# Altium PCB 10515.0462_全联供主板(2拼版)_V1.0.PcbDoc (part 10 of 18)
Units mm, origin at the board's own origin, x right, y up, seen from the top; angles counter-clockwise.
Board outline 282 x 198 mm, 2 copper layers (Top Layer, Bottom Layer); 716 components, 0 nets, 2364 pads, 1800 vias.
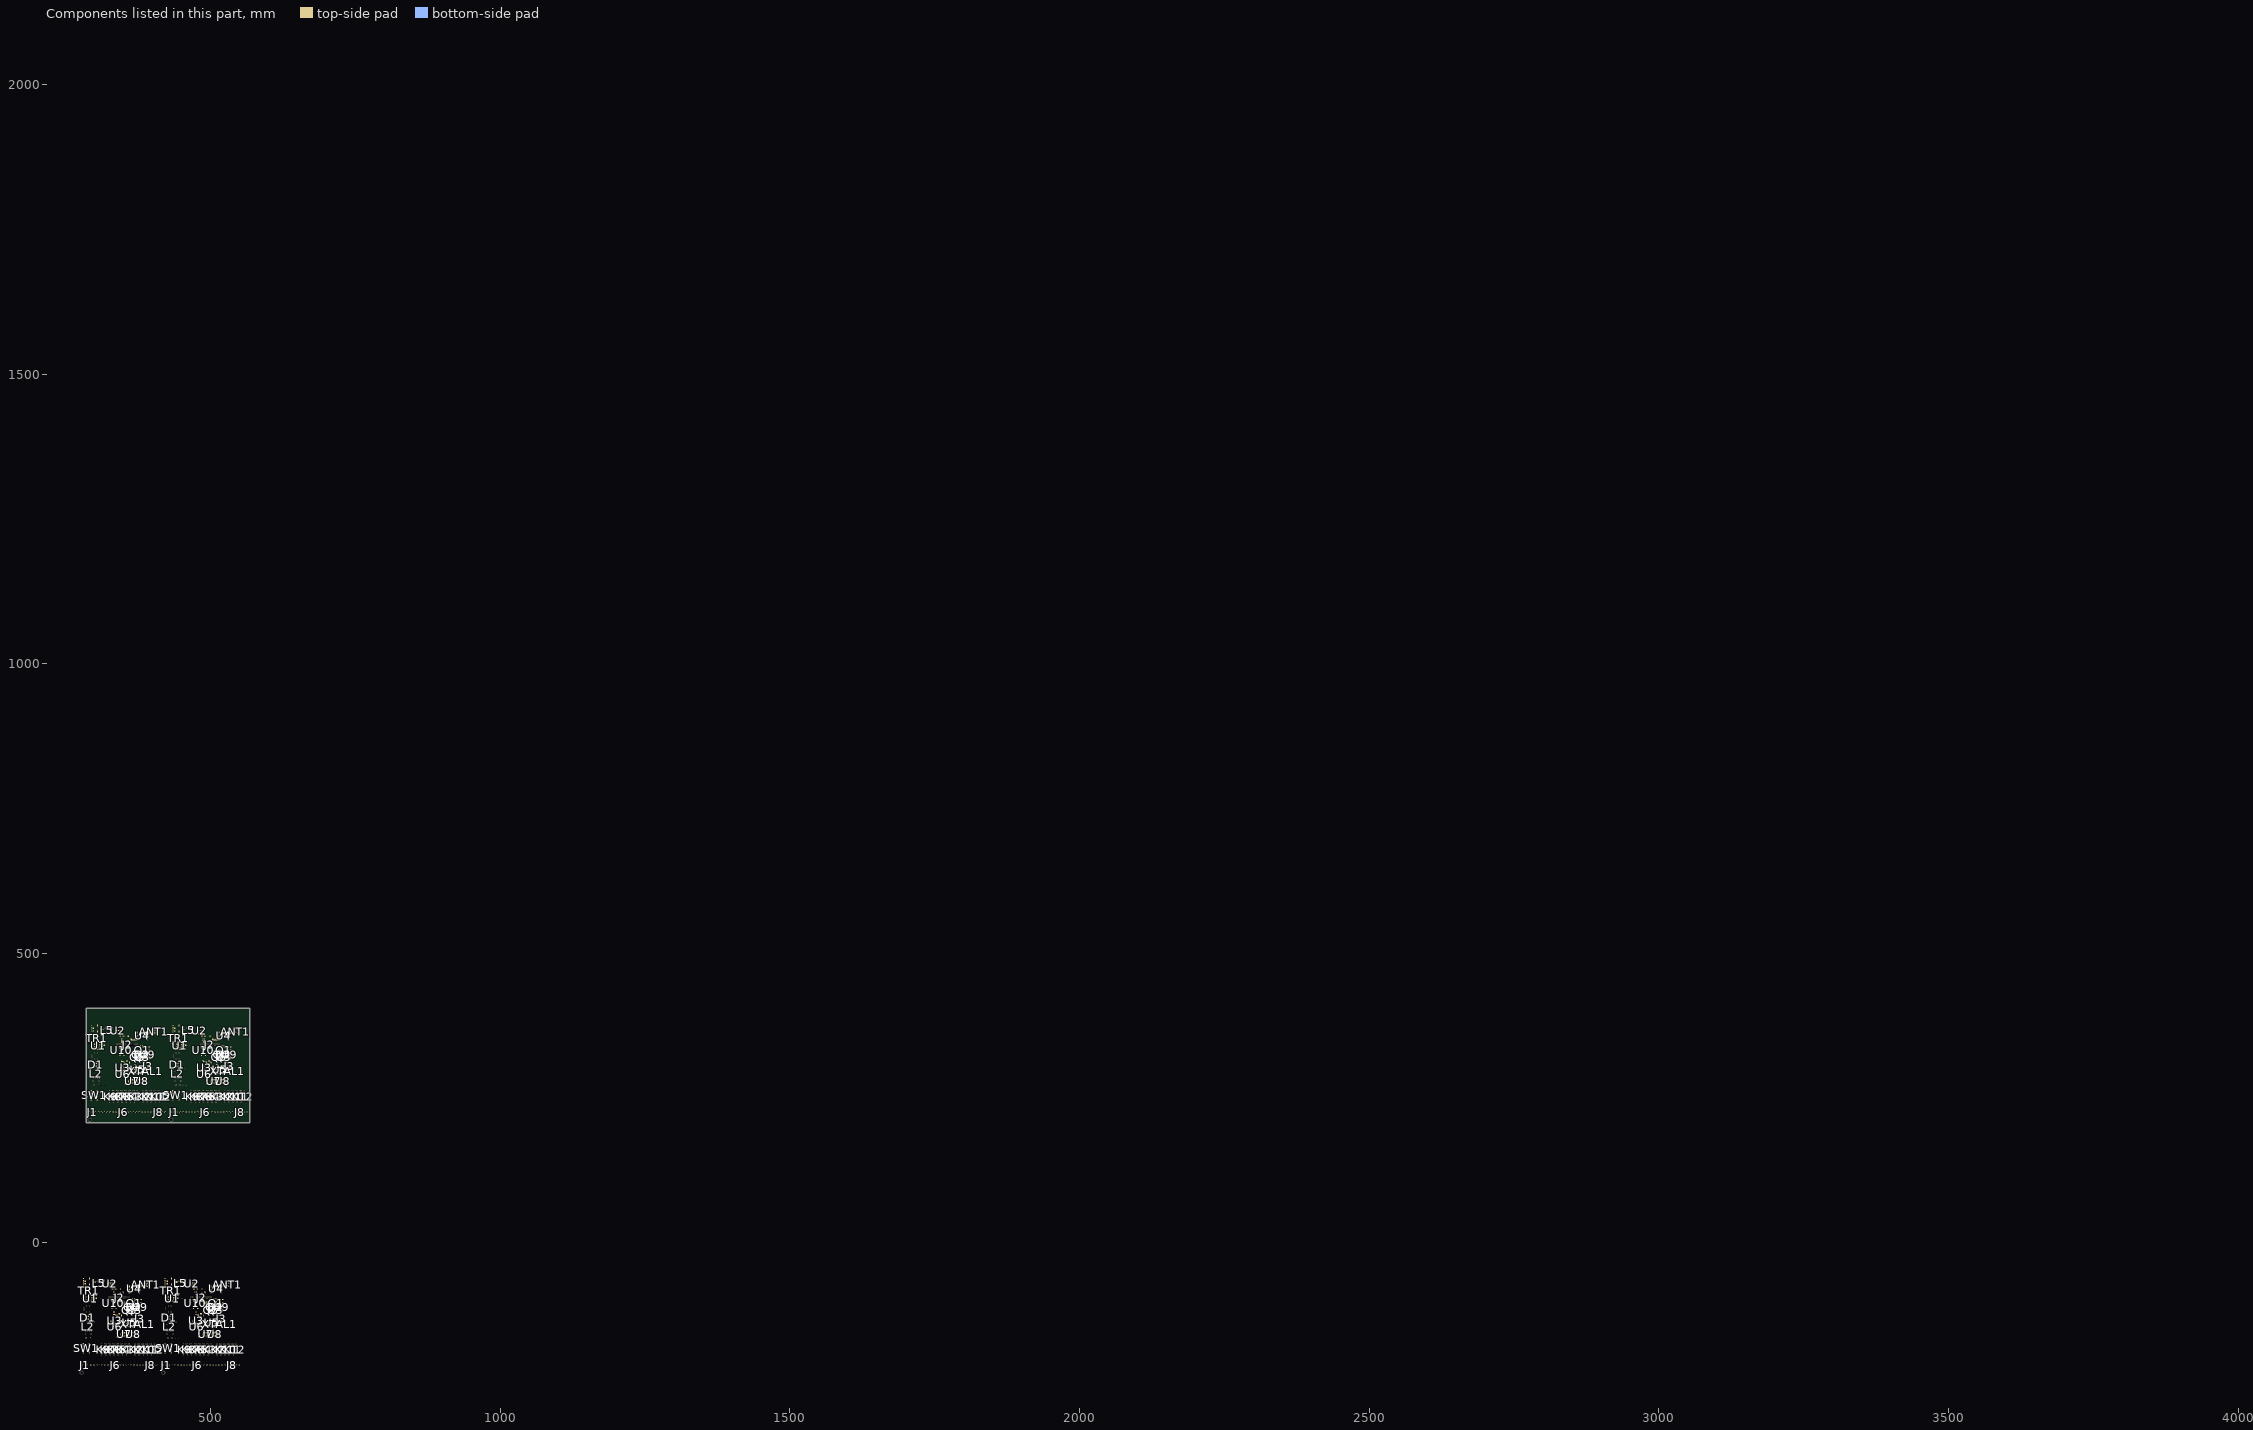
[diagram p10: the components of this part, seen from the top]

## Via types
v1: diameter 0.7, hole 0.4, Top Layer to Bottom Layer, tented both sides, 1800 vias

## Nets (pads, with @x,y where several pads share a name; then routed paths per layer and width w, separated by ;. In a path a pad name is that pad's centre, name@x,y a point inside that pad or via, vN(x,y) a via of type N, cw(c..) or ccw(c..) an arc to the next point about the centre after c; other vN are vias at no path point) (continued)
copper on no net: (continued)
  Top Layer w0.65: 372.479,328.689 cw(c371.859,328.069) 372.735,328.069 ; 372.735,317.501 cw(c374.744,317.501) 373.733,319.236 ; 372.735,317.686 372.735,318.663 373.577,319.504 ; 372.735,318.314 cw(c373.616,318.314) 373.587,319.194 ; 372.735,318.632 cw(c374.085,318.632) 373.406,319.798 ; 372.735,318.986 cw(c373.594,318.986) 373.566,319.844 ; 372.735,326.83 372.735,328.945 ; 372.735,327.857 cw(c373.911,327.857) 373.08,328.689 ; 372.76,322.137 v1(372.76,324.555) 372.76,325.393 ; v1(372.772,331.039) 372.772,332.937 ; 373.267,319.504 cw(c372.518,319.504) 373.048,318.975 cw(c373.577,318.446) 373.577,319.194 ; v1(373.614,-112.057) 374.453,-112.057 379.78,-112.057 380.616,-112.057 381.361,-112.802 381.361,-119.533 v1(381.615,-119.787) ; 374.386,317.686 376.545,317.686 376.545,316.965 376.956,316.554 v1(377.21,316.554) ; 374.386,326.83 374.386,323.814 374.577,323.624 374.577,322.004 ; 374.389,323.735 cw(c373.935,323.281) 374.577,323.281 ; 374.402,322.242 ccw(c373.982,322.663) 374.577,322.663 ccw(c375.172,322.663) 374.751,322.242 ; v1(375.457,-119.787) 375.457,-118.864 ; 375.908,329.29 ccw(c375.182,330.015) 376.208,330.015 ccw(c377.234,330.015) 376.509,329.29 ccw(c377.234,330.015) 377.234,328.989 ccw(c377.234,327.963) 376.509,328.689 ; 376.307,323.798 cw(c375.887,323.377) 376.482,323.377 cw(c377.077,323.377) 376.656,323.798 ; 376.359,331.324 cw(c377.972,329.711) 377.972,331.992 ; 376.482,322.068 376.482,324.036 ; 376.734,316.777 ccw(c377.21,317.253) v1@377.21,316.579 ; 377.003,-73.91 374.279,-73.91 373.36,-74.829 373.36,-83.465 372.695,-84.13 359.303,-84.13 357.866,-84.13 ; v1@377.006,-119.75 377.006,-118.864 ; 377.21,307.789 v1(377.21,309.315) ; 377.263,326.755 ccw(c376.733,327.284) 377.482,327.284 ccw(c378.23,327.284) 377.701,326.755 ; 377.482,326.536 377.482,328.846 ; 377.972,332.937 376.208,331.174 376.208,328.989 378.875,328.989 ; 378.196,319.845 378.196,317.686 380.482,317.686 ; 378.51,-108.253 378.51,-105.753 ; 378.51,-106.121 cw(c379.212,-106.121) 378.715,-105.624 ; 378.575,328.689 ccw(c377.849,327.963) 377.849,328.989 ccw(c377.849,330.015) 378.575,329.29 ; v1(378.92,308.486) 379.736,309.301 v1(379.736,310.331) ; v1(379.75,335.477) 380.829,335.477 ; 380.498,323.798 cw(c380.078,323.377) 380.673,323.377 cw(c381.268,323.377) 380.847,323.798 ; 380.673,324.036 380.673,322.964 381.673,321.964 384.252,321.964 384.356,322.068 ; 380.766,334.556 ccw(c381.641,334.556) 381.022,333.937 ; 380.766,335.477 380.766,333.781 380.848,333.699 ; 381.361,-119.113 ccw(c382.289,-119.113) v1@381.633,-119.769 ; 381.363,321.964 ccw(c380.614,321.964) 381.144,322.493 ccw(c381.673,323.022) 381.673,322.274 ; 381.579,330.98 cw(c379.827,329.229) 382.304,329.229 ; 381.798,331.2 382.304,330.693 382.304,328.989 ; 381.892,321.745 cw(c382.421,321.216) 382.421,321.964 cw(c382.421,322.712) 381.892,322.183 ; 382.004,329.29 ccw(c381.278,330.015) 382.304,330.015 ccw(c383.33,330.015) 382.605,329.29 ; 382.038,331.44 cw(c381.396,330.798) 382.304,330.798 ; 382.461,335.42 cw(c381.647,334.606) 382.798,334.606 ; 382.48,335.477 382.798,335.16 382.798,333.699 ; 382.623,319.464 382.623,319.143 v1(383.433,318.332) ; 382.624,333.937 ccw(c382.203,334.358) 382.798,334.358 ccw(c383.393,334.358) 382.972,333.937 ; v1@382.631,-74.482 385.033,-74.482 ; 382.869,319.401 ccw(c384.087,319.401) v1@383.226,318.539 ; v1@382.909,309.315 v1(382.909,309.442) 382.909,310.417 383.407,310.916 ; v1@382.909,309.396 cw(c384.633,309.396) 383.487,310.684 ; v1(387.243,324.539) 388.082,324.539 393.408,324.539 394.245,324.539 394.99,323.793 394.99,317.062 v1(395.244,316.808) ; v1(389.086,316.808) 389.086,317.731 ; 390.632,362.685 387.908,362.685 386.989,361.766 386.989,353.13 386.324,352.465 372.932,352.465 371.495,352.465 ; v1@390.634,316.846 390.634,317.731 ; 392.138,328.342 392.138,330.843 ; 392.138,330.475 cw(c392.841,330.475) 392.344,330.971 ; 394.99,317.482 ccw(c395.917,317.482) v1@395.262,316.826 ; v1@396.26,362.114 398.661,362.114 ; 426.476,-64.542 428.715,-64.542 431.89,-61.367 431.89,-62.336 436.122,-66.568 436.509,-66.568 ; 431.89,-71.667 431.89,-71.51 433.366,-70.035 ; 432.064,-69.749 433.614,-68.2 438.083,-68.2 437.55,-68.733 433.842,-68.733 433.461,-69.114 ; 432.318,-61.875 436.509,-66.066 437.601,-66.066 ; 432.318,-61.113 437.754,-66.549 437.837,-66.549 437.96,-66.426 ; 432.572,-70.003 433.144,-69.431 ; 433.017,-63.462 433.017,-64.288 ; 433.652,-64.923 433.017,-64.923 ; 434.35,-64.034 436.001,-65.685 437.22,-65.685 438.083,-66.549 ; 434.604,-66.568 434.604,-66.51 433.017,-64.923 ; 435.297,-66.568 433.017,-64.288 ; 436.691,-68.733 ccw(c436.691,-66.845) 438.026,-68.18 ; 436.813,-66.066 cw(c436.813,-67.78) 438.026,-66.568 436.509,-66.568 ; 438.083,-66.429 ccw(c438.083,-65.893) 438.462,-66.272 ; 438.141,-66.568 cw(c439.353,-67.78) 439.353,-66.066 ; 438.16,-68.479 437.208,-69.431 ; 438.164,-66.519 cw(c438.668,-66.573) 438.668,-66.066 ; 439.801,-66.565 ccw(c438.668,-67.601) 438.668,-66.066 ; 439.861,-66.549 439.379,-66.066 438.668,-66.066 ; 440.105,372.053 442.344,372.053 445.519,375.228 445.519,374.259 449.751,370.027 450.138,370.027 ; 440.738,-66.637 cw(c441.203,-67.102) 441.547,-66.542 ; 441.097,-65.669 cw(c442.224,-66.795) v1@442.224,-65.202 ; 441.272,-65.494 cw(c442.023,-66.246) v1@442.219,-65.202 ; 441.532,-66.415 ccw(c440.473,-65.356) v1@441.97,-65.356 ; v1@441.571,-65.195 cw(c440.609,-66.157) 441.97,-66.157 ; 441.589,-66.654 cw(c443.547,-66.654) v1@442.241,-65.196 ; 441.589,-66.391 ccw(c441.589,-65.336) 442.335,-66.082 ; v1@441.594,-65.202 cw(c441.79,-66.246) 442.542,-65.494 ; 441.612,-66.394 cw(c441.82,-65.685) 441.081,-65.685 ; 441.97,-65.851 cw(c442.898,-65.851) v1@442.242,-65.195 ; 441.995,-66.549 ccw(c441.995,-62.838) 444.619,-65.462 cw(c443.467,-64.309) 443.467,-65.939 cw(c443.467,-67.569) 444.619,-66.416 ; v1@442.206,-65.195 cw(c441.551,-65.851) 442.478,-65.851 ; 443.564,-66.549 ccw(c443.564,-64.407) 445.078,-65.921 ; 445.519,364.928 445.519,365.085 446.995,366.561 ; 445.693,366.846 447.242,368.396 451.712,368.396 451.178,367.862 447.471,367.862 447.09,367.481 ; 445.947,374.72 450.138,370.529 451.229,370.529 ; 445.947,375.482 451.382,370.047 451.466,370.047 451.589,370.17 ; 446.201,366.592 446.772,367.164 ; 446.645,373.133 446.645,372.307 ; 447.28,371.672 446.645,371.672 ; 447.979,372.561 449.63,370.91 450.848,370.91 451.712,370.047 ; 448.233,370.027 448.233,370.085 446.645,371.672 ; 448.925,370.027 446.645,372.307 ; 449.494,-66.416 cw(c448.342,-67.569) 449.971,-67.569 cw(c451.601,-67.569) 450.448,-66.416 ; 449.504,-73.001 ccw(c448.457,-71.908) 449.971,-71.908 ccw(c451.485,-71.908) 450.438,-73.001 ; 449.735,-66.571 cw(c449.266,-67.827) 450.606,-67.827 ; 449.962,-65.962 cw(c449.616,-66.89) 450.606,-66.89 ; 449.971,-66.614 cw(c449.971,-69.163) 451.774,-67.361 ; 449.996,-73.486 cw(c451.514,-73.292) 450.432,-72.209 ; 449.998,-72.815 ccw(c450.059,-71.234) 451.178,-72.353 ; 450.281,-72.889 cw(c450.941,-71.613) 449.504,-71.613 ; 450.32,367.862 ccw(c450.32,369.75) 451.654,368.415 ; 450.442,370.529 cw(c450.442,368.815) 451.654,370.027 450.138,370.027 ; 450.606,-67.082 451.368,-67.844 453.4,-67.844 ; 450.635,-66.059 ccw(c452.337,-66.367) 451.114,-67.59 ; 450.641,-73.403 cw(c453.174,-73.079) 451.368,-71.273 ; 450.646,-73.489 cw(c452.107,-73.489) 451.074,-72.456 ; 450.646,-65.939 ccw(c451.356,-65.939) 450.854,-66.441 ; 451.712,370.166 ccw(c451.712,370.702) 452.091,370.323 ; 451.769,370.027 cw(c452.982,368.815) 452.982,370.529 ; 451.789,368.116 450.836,367.164 ; 451.793,370.076 cw(c452.297,370.023) 452.297,370.529 ; 453.43,370.03 ccw(c452.297,368.995) 452.297,370.529 ; 453.49,370.047 453.007,370.529 452.297,370.529 ; 454.035,-68.479 455.813,-66.701 455.813,-66.574 ; 454.035,-67.844 454.035,-67.543 456.655,-64.923 ; 454.162,-67.844 455.813,-66.193 ; 454.257,-67.241 cw(c456.655,-69.64) 456.655,-66.248 ; 454.282,-66.581 cw(c456.655,-68.954) 456.655,-65.598 ; 454.289,-71.781 455.305,-72.797 455.305,-74.448 456.08,-75.223 456.655,-75.223 ; 454.367,369.958 cw(c454.832,369.493) 455.175,370.054 ; 454.393,-67.185 cw(c456.655,-69.447) 456.655,-66.248 ; 454.67,-67.844 453.4,-67.844 ; 454.71,370.91 ccw(c455.449,370.91) 455.241,370.201 ; 454.726,370.927 cw(c455.853,369.8) v1@455.853,371.393 ; 454.9,371.101 cw(c455.652,370.35) v1@455.848,371.394 ; 455.124,-66.882 cw(c456.655,-68.414) 456.655,-66.248 ; 455.16,370.181 ccw(c454.102,371.239) v1@455.599,371.239 ; v1@455.2,371.401 cw(c454.238,370.438) 455.599,370.438 ; 455.218,369.942 cw(c457.175,369.942) v1@455.87,371.4 ; 455.218,370.204 ccw(c455.218,371.259) 455.964,370.513 ; v1@455.223,371.394 cw(c455.419,370.35) 456.17,371.101 ; 455.366,-66.132 cw(c456.655,-67.421) 456.655,-65.598 ; 455.392,-65.471 cw(c456.655,-66.735) 456.655,-64.948 ; 455.432,-72.543 454.67,-71.781 451.749,-71.781 451.178,-72.352 ; 455.503,-66.075 cw(c456.655,-67.228) 456.655,-65.598 ; 455.599,370.745 cw(c456.526,370.745) v1@455.871,371.401 ; 455.624,370.047 ccw(c455.624,373.758) 458.248,371.134 cw(c457.095,372.286) 457.095,370.656 cw(c457.095,369.027) 458.248,370.179 ; 455.663,-66.851 ccw(c454.534,-65.723) 456.13,-65.723 ; 455.813,-74.261 ccw(c456.817,-74.261) 456.107,-74.971 ; 455.813,-72.692 ccw(c458.386,-72.692) 456.567,-74.511 ; 455.813,-72.289 454.797,-71.273 451.368,-71.273 449.971,-72.67 449.971,-73.489 ; 455.813,-71.527 455.051,-70.765 451.114,-70.765 449.971,-71.908 449.971,-73.489 ; 455.813,-71.123 ccw(c459.955,-71.123) 457.026,-74.052 cw(c457.923,-73.156) 456.655,-73.156 cw(c455.388,-73.156) 456.284,-74.052 ; 455.813,-68.123 cw(c458.079,-68.123) 456.923,-66.175 ; 455.813,-67.971 454.924,-68.86 ; 455.813,-67.336 454.67,-68.479 451.368,-68.479 450.606,-67.717 450.606,-66.574 449.971,-65.939 ; 455.813,-66.982 cw(c457.402,-66.982) 456.591,-65.615 ; v1@455.835,371.401 cw(c455.179,370.745) 456.107,370.745 ; 455.881,-66.633 ccw(c455.226,-65.978) 456.138,-65.815 ; 455.94,-64.923 453.527,-67.336 451.749,-67.336 450.352,-65.939 449.971,-65.939 ; 456.284,-75.594 ccw(c455.388,-76.49) 455.388,-75.223 ccw(c455.388,-73.956) 456.284,-74.852 ; 456.321,-75.223 455.318,-75.223 454.924,-74.829 454.924,-73.305 453.972,-72.352 451.178,-72.352 ; 456.325,-74.015 ccw(c454.829,-72.162) 457.21,-72.162 ; 456.465,-73.934 ccw(c455.827,-72.289) 457.591,-72.289 ; 456.578,-74.522 ccw(c457.044,-73.925) 457.579,-74.46 ; 456.655,-65.859 456.655,-64.923 ; 456.7,-74.54 ccw(c456.196,-73.238) 457.591,-73.238 ; 456.734,-74.52 ccw(c455.928,-73.523) 457.21,-73.523 ; 456.935,-75.146 ccw(c456.564,-74.188) 457.591,-74.188 ; 456.978,-74.009 ccw(c457.5,-73.34) 458.099,-73.94 ; 457.026,-66.094 ccw(c457.923,-66.99) 456.655,-66.99 ccw(c455.388,-66.99) 456.284,-66.094 cw(c454.354,-68.024) 457.083,-68.024 ; 457.106,-75.491 cw(c457.578,-75.772) 457.578,-75.223 ; 457.106,-74.955 ccw(c457.578,-74.674) 457.578,-75.223 ; 457.18,-65.723 ccw(c459.162,-65.723) 457.761,-67.125 ; 457.193,370.047 ccw(c457.193,372.189) 458.707,370.674 ; 458.353,-71.527 457.591,-72.289 457.591,-74.575 456.943,-75.223 456.655,-75.223 ; 458.516,-68.733 cw(c458.516,-70.094) v1@459.478,-69.132 ; 458.933,-69.278 ccw(c458.933,-67.609) v1@460.113,-68.789 ; 458.988,-71.527 458.099,-72.416 458.099,-73.94 ; 459.04,-69.278 ccw(c459.04,-68.658) v1@459.478,-69.096 ; 459.274,-68.638 cw(c458.798,-69.114) v1@459.471,-69.114 ; v1@459.514,-69.132 cw(c460.476,-70.094) 460.476,-68.733 ; v1@459.514,-69.096 ccw(c459.952,-68.658) 459.952,-69.278 ; v1@459.517,-69.128 cw(c460.131,-69.554) v1(460.131,-68.807) 459.443,-68.807 457.083,-66.447 ; 459.517,-68.733 cw(c459.517,-70.653) v1@460.875,-69.295 ; v1@460.154,-68.797 ccw(c460.893,-68.47) v1(460.893,-69.278) ; 460.675,-68.733 cw(c460.675,-70.094) v1@461.637,-69.132 ; v1@460.915,-69.29 cw(c461.872,-69.834) 461.872,-68.733 ; v1@461.199,-69.278 ccw(c461.199,-68.658) v1@461.637,-69.096 ; 461.285,-71.527 ccw(c461.285,-69.418) 462.776,-70.909 ; v1@461.673,-69.096 ccw(c462.111,-68.658) 462.111,-69.278 ; 461.909,-72.416 461.655,-72.162 ; 461.909,-71.867 462.834,-70.942 ; 462.1,-68.961 ccw(c462.635,-68.425) 462.815,-69.161 ; 462.157,-70.809 ccw(c462.48,-70.486) 462.78,-70.829 ; 462.29,-70.942 461.859,-70.511 457.464,-70.511 456.655,-71.32 456.655,-72.543 ; 462.417,-69.278 461.872,-68.733 ; 462.753,-72.67 462.753,-72.031 462.249,-71.527 ; 462.834,-70.929 462.834,-70.942 ; 462.834,-69.278 v1(460.893,-69.278) ; 462.847,-70.942 462.834,-70.942 ; 463.123,370.179 cw(c461.97,369.027) 463.6,369.027 cw(c465.229,369.027) 464.077,370.179 ; 463.133,363.594 ccw(c462.086,364.687) 463.6,364.687 ccw(c465.114,364.687) 464.067,363.594 ; 463.364,370.024 cw(c462.894,368.769) 464.235,368.769 ; 463.484,-73.99 463.243,-73.749 ; 463.525,-73.441 462.036,-71.953 462.036,-71.527 ; 463.591,370.633 cw(c463.244,369.705) 464.235,369.705 ; 463.6,369.981 cw(c463.6,367.432) 465.403,369.235 ; 463.625,363.11 cw(c465.143,363.304) 464.061,364.386 ; 463.626,363.781 ccw(c463.688,365.361) 464.806,364.243 ; 463.91,363.706 cw(c464.57,364.983) 463.133,364.983 ; 464.235,369.513 464.997,368.751 467.029,368.751 ; 464.264,370.536 ccw(c465.965,370.228) 464.743,369.006 ; 464.269,363.192 cw(c466.803,363.516) 464.997,365.322 ; 464.275,363.106 cw(c465.735,363.106) 464.703,364.139 ; 464.275,370.656 ccw(c464.985,370.656) 464.483,370.155 ; 465.272,-96.104 cw(c464.526,-96.85) 465.581,-96.85 cw(c466.636,-96.85) 465.89,-96.104 cw(c466.636,-96.85) 466.636,-95.795 cw(c466.636,-94.74) 465.89,-95.486 cw(c466.636,-94.74) 465.581,-94.74 cw(c464.526,-94.74) 465.272,-95.486 ; 465.272,-93.564 cw(c464.526,-94.31) 465.581,-94.31 cw(c466.636,-94.31) 465.89,-93.564 cw(c466.664,-94.338) 466.664,-93.244 ; 465.369,-95.413 ccw(c464.799,-94.387) 465.973,-94.387 ; 465.4,-95.683 cw(c466.821,-96.57) 466.821,-94.895 ; 465.427,-93.664 cw(c465.131,-94.453) 465.973,-94.453 ; 465.43,-93.405 ccw(c466.564,-92.283) 466.564,-93.879 ; 465.468,-95.976 ccw(c465.926,-95.242) 466.538,-95.854 ; 465.592,-93.244 468.11,-93.244 468.121,-93.255 ; 465.812,-95.425 ccw(c466.371,-94.531) 467.116,-95.276 ; 465.89,-92.946 ccw(c466.608,-92.228) 466.608,-93.244 ; 465.892,-92.948 ccw(c468.121,-90.744) 468.121,-93.879 ; 465.952,-96.027 cw(c467.994,-97.303) 467.994,-94.895 465.973,-94.895 ; 465.973,-96.419 467.116,-95.276 ; 465.973,-96.188 465.973,-94.895 ; 465.973,-95.988 cw(c467.116,-96.549) 467.116,-95.276 ; 467.017,-94.895 cw(c467.017,-96.338) 468.312,-95.701 ; 467.038,-93.244 cw(c467.038,-94.338) 467.812,-93.564 cw(c467.066,-94.31) 468.121,-94.31 cw(c469.176,-94.31) 468.43,-93.564 ; 467.094,-93.244 ccw(c467.094,-92.228) 467.812,-92.946 ; 467.379,-93.879 ccw(c467.379,-92.79) 468.301,-93.369 ; 467.664,368.116 469.442,369.894 469.442,370.021 ; 467.664,368.751 467.664,369.052 470.284,371.672 ; 467.685,-95.817 ccw(c467.116,-95.845) 467.116,-95.276 ; 467.729,-95.988 ccw(c465.973,-96.851) 465.973,-94.895 ; 467.751,-93.023 cw(c466.205,-92.054) 466.205,-93.879 468.121,-93.879 ; 467.791,368.751 469.442,370.402 ; 467.812,-96.104 ccw(c467.066,-96.85) 467.066,-95.795 ccw(c467.066,-94.74) 467.812,-95.486 ccw(c467.066,-94.74) 468.121,-94.74 ccw(c469.176,-94.74) 468.43,-95.486 ; 467.885,369.354 cw(c470.284,366.956) 470.284,370.347 ; 467.911,370.015 cw(c470.284,367.642) 470.284,370.997 ; 467.918,364.814 468.934,363.798 468.934,362.147 469.709,361.372 470.284,361.372 ; 468.022,369.411 cw(c470.284,367.149) 470.284,370.347 ; 468.121,-95.276 467.116,-95.276 ; 468.121,-94.387 465.973,-94.387 ; 468.299,368.751 467.029,368.751 ; 468.753,369.713 cw(c470.284,368.182) 470.284,370.347 ; 468.995,370.464 cw(c470.284,369.175) 470.284,370.997 ; 469.021,371.124 cw(c470.284,369.861) 470.284,371.647 ; 469.061,364.052 468.299,364.814 465.378,364.814 464.806,364.243 ; 469.132,370.52 cw(c470.284,369.368) 470.284,370.997 ; 469.291,369.744 ccw(c468.163,370.872) 469.759,370.872 ; 469.442,362.334 ccw(c470.446,362.334) 469.736,361.624 ; 469.442,363.903 ccw(c472.015,363.903) 470.195,362.084 ; 469.442,364.306 468.426,365.322 464.997,365.322 463.6,363.925 463.6,363.106 ; 469.442,365.068 468.68,365.83 464.743,365.83 463.6,364.687 463.6,363.106 ; 469.442,365.473 ccw(c473.584,365.473) 470.655,362.544 cw(c471.551,363.44) 470.284,363.44 cw(c469.016,363.44) 469.913,362.544 ; 469.442,368.472 cw(c471.708,368.472) 470.552,370.421 ; 469.442,368.624 468.553,367.735 ; 469.442,369.259 468.299,368.116 464.997,368.116 464.235,368.878 464.235,370.021 463.6,370.656 ; 469.442,369.613 cw(c471.031,369.613) 470.22,370.98 ; 469.51,369.963 ccw(c468.855,370.618) 469.767,370.78 ; 469.569,371.672 467.156,369.259 465.378,369.259 463.981,370.656 463.6,370.656 ; 469.913,361.001 ccw(c469.016,360.105) 469.016,361.372 ccw(c469.016,362.64) 469.913,361.744 ; 469.95,361.372 468.947,361.372 468.553,361.766 468.553,363.29 467.6,364.243 464.806,364.243 ; 469.954,362.581 ccw(c468.457,364.433) 470.839,364.433 ; 470.094,362.662 ccw(c469.456,364.306) 471.22,364.306 ; 470.207,362.074 ccw(c470.673,362.671) 471.208,362.136 ; 470.284,370.736 470.284,371.672 ; 470.329,362.056 ccw(c469.824,363.357) 471.22,363.357 ; 470.352,-95.486 ccw(c469.606,-94.74) 470.661,-94.74 ccw(c471.716,-94.74) 470.97,-95.486 ; 470.352,-93.564 cw(c469.606,-94.31) 470.661,-94.31 cw(c471.716,-94.31) 470.97,-93.564 ; 470.352,-92.946 ccw(c469.606,-92.2) 470.661,-92.2 ccw(c471.716,-92.2) 470.97,-92.946 ; 470.362,362.075 ccw(c469.557,363.073) 470.839,363.073 ; 470.474,-113.477 cw(c470.474,-114.971) 471.531,-113.915 ; 470.499,-112.8 ccw(c471.612,-112.7) 471.612,-113.818 ; 470.529,-113.475 cw(c470.601,-114.341) 471.216,-113.726 cw(c471.633,-113.309) 471.092,-113.073 ; 470.535,-113.474 cw(c470.633,-114.563) 471.406,-113.79 cw(c472.093,-113.103) 471.138,-112.925 ; 470.564,361.45 ccw(c470.193,362.408) 471.22,362.408 ; 470.607,362.586 ccw(c471.128,363.255) 471.728,362.655 ; 470.655,370.501 ccw(c471.551,369.605) 470.284,369.605 ccw(c469.016,369.605) 469.913,370.501 cw(c467.983,368.572) 470.712,368.572 ; 470.661,-100.366 470.661,-95.795 ; 470.661,-99.135 ccw(c471.596,-99.135) 470.935,-99.796 ; 470.735,361.104 cw(c471.207,360.824) 471.207,361.372 ; 470.735,361.641 ccw(c471.207,361.921) 471.207,361.372 ; 470.776,-100.481 470.776,-95.91 470.661,-95.795 ; 470.776,-97.128 ccw(c469.329,-97.128) 470.352,-96.104 cw(c469.606,-96.85) 470.661,-96.85 cw(c471.716,-96.85) 470.97,-96.104 ccw(c471.439,-96.573) 470.776,-96.573 ; 470.809,370.872 ccw(c472.791,370.872) 471.389,369.471 ; 470.951,-113.279 cw(c472.104,-114.432) 472.104,-112.802 cw(c472.104,-111.172) 470.951,-112.325 ; 471.12,-112.998 cw(c472.069,-113.286) 472.069,-112.294 ; 471.146,-112.742 ccw(c472.323,-112.637) 472.323,-113.818 ; 471.149,-112.802 ccw(c472.914,-112.802) 471.666,-114.05 ; 471.434,-113.818 472.831,-115.215 472.831,-118.39 473.238,-118.796 473.238,-119.329 ; 471.982,365.068 471.22,364.306 471.22,362.02 470.572,361.372 470.284,361.372 ; 472.021,-106.75 ccw(c470.37,-105.1) 472.704,-105.1 ; 472.145,367.862 cw(c472.145,366.501) v1@473.107,367.464 ; 472.531,-121.612 cw(c470.824,-123.318) 473.238,-123.318 ; 472.531,-121.01 ccw(c470.824,-119.304) 473.238,-119.304 ; 472.562,367.318 ccw(c472.562,368.987) v1@473.742,367.807 ; 472.617,365.068 471.728,364.179 471.728,362.655 ; 472.669,367.318 ccw(c472.669,367.937) v1@473.107,367.499 ; 472.695,-107.811 cw(c471.415,-109.091) 473.226,-109.091 cw(c475.036,-109.091) 473.756,-107.811 ; 472.695,-106.75 ccw(c471.777,-105.832) 473.076,-105.832 ; 472.704,-107.802 472.704,-108.865 ; 472.704,-105.84 ccw(c473.991,-105.84) 473.081,-106.75 ; 472.704,-102.446 cw(c474.516,-102.446) 473.235,-101.165 ; 472.704,-98.515 ccw(c474.516,-98.515) 473.235,-99.796 ; 472.704,-98.05 cw(c475.456,-98.05) 473.51,-96.104 ccw(c474.558,-97.153) 473.076,-97.153 ; 472.704,-96.481 cw(c473.886,-96.481) 473.05,-95.645 ; 472.704,-95.51 cw(c475.456,-95.51) 473.51,-93.564 ccw(c474.256,-94.31) 473.201,-94.31 ccw(c472.146,-94.31) 472.892,-93.564 ; 472.704,-95.174 ccw(c473.738,-95.174) 473.062,-95.956 ; 472.704,-93.941 cw(c473.886,-93.941) 473.05,-93.105 ; 472.812,-91.231 ccw(c472.063,-90.481) 473.118,-90.381 ; 472.881,-87.133 cw(c472.019,-87.995) 473.238,-87.995 ; 472.892,-96.104 cw(c472.448,-96.548) 473.076,-96.548 ; 472.892,-95.486 ccw(c472.146,-94.74) 473.201,-94.74 ccw(c474.256,-94.74) 473.51,-95.486 ; 472.903,367.958 